# Altium PCB MainMaster.PcbDoc (part 1 of 2) (continued)
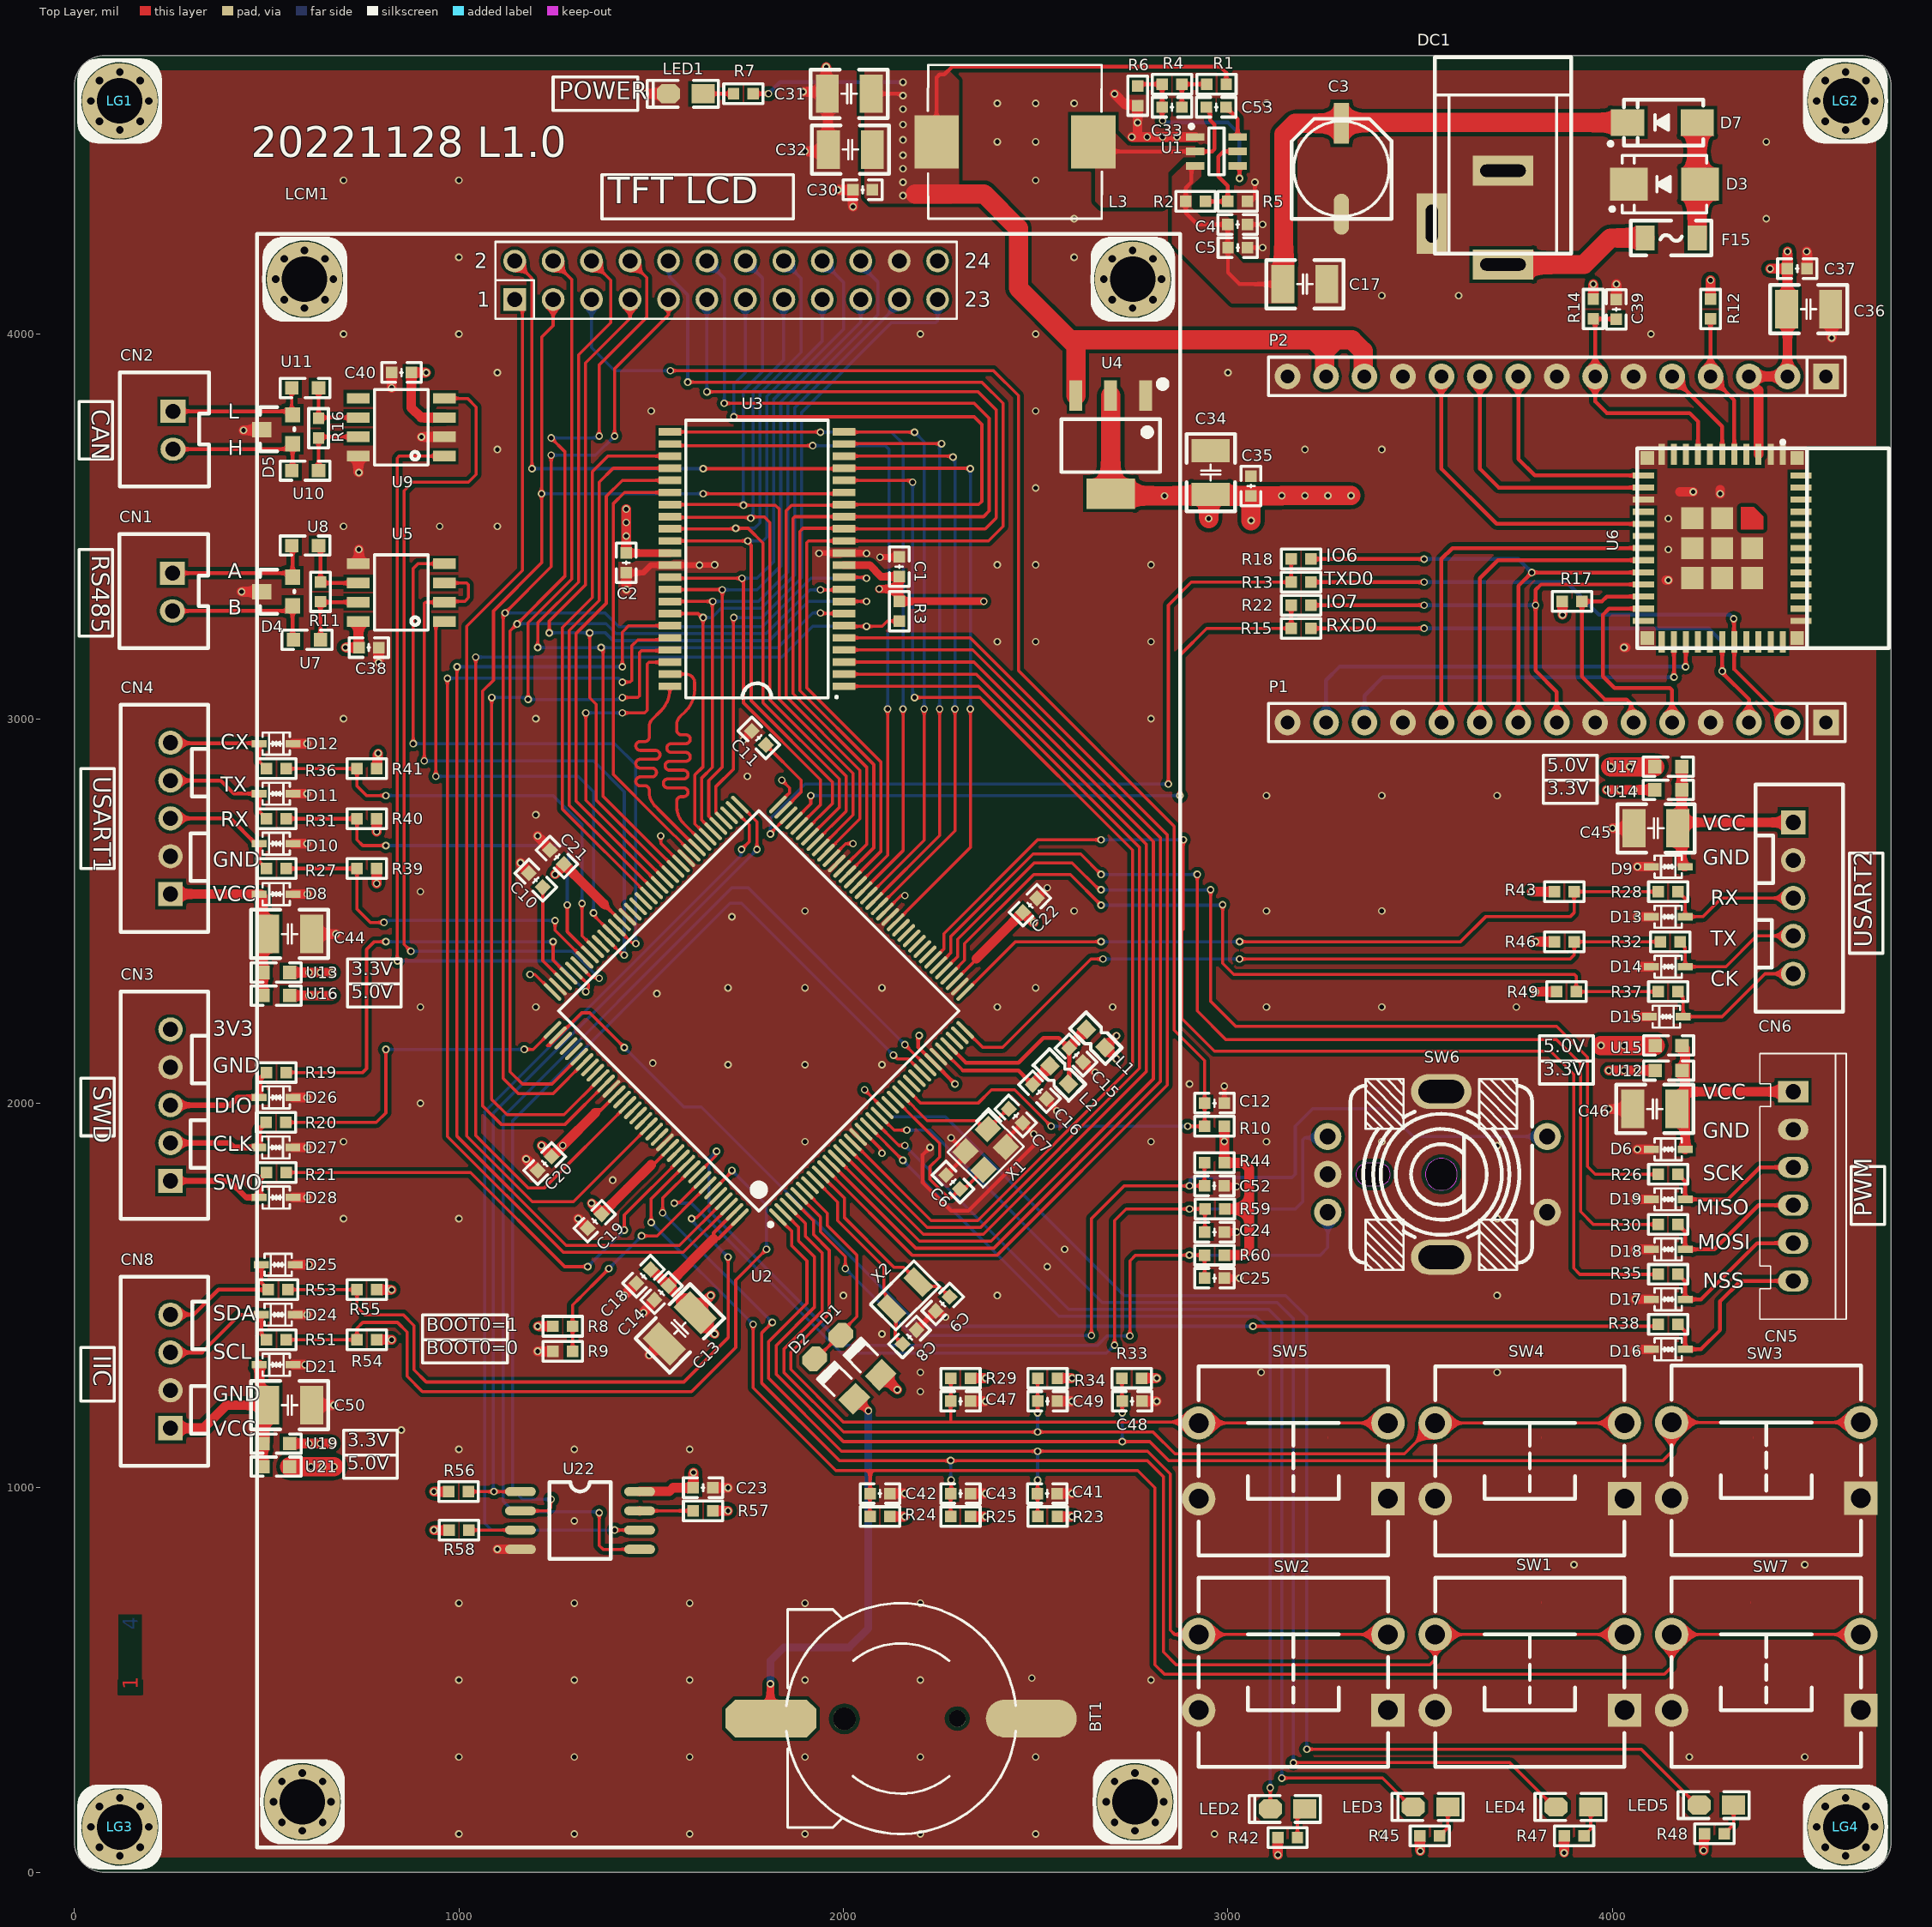
[diagram p0: Top Layer view]
## Footprints (in the part's own frame and the unit in brackets; to place one, negate y for a bottom-side part, rotate by r counter-clockwise, add the part's x,y. Pads: shape width x height; smd on the part's side, far side on the other; paste and mask are expansions set on the pad) (continued)
SMB [mm] "4.7*3.9*2.2mm(长宽高，不包括引脚）"
  rect 2.5x2.2 smd: 1(-2.35,0) 2(2.35,0)
  silkscreen extent -2.8,-1.9 3.57,1.9, body extent -2.63,-1.8 2.67,1.8, height 2.35
SOD-323_L1.8-W1.3-LS2.5-BI [mm]
  rect 0.985x0.49 smd mask+0.051: 1(-1.118,0) 2(1.118,0)
  silkscreen extent -0.9,-0.73 0.9,0.73, body extent -1.24,-0.63 1.24,0.62, height 0.88
SOIC8 [mil]
  oval 80x24 smd: 1(-155,75) 2(-155,25) 3(-155,-25) 4(-155,-75) 5(155,-75) 6(155,-25) 7(155,25) 8(155,75)
  silkscreen extent -80,-100 80,100, body extent -167,-106 163,106, height 91
SOP8_SP3485 [mm] "SP3485"
  rect 0.7x1.5 smd: 1(-1.834,-2.841) 2(-0.564,-2.841) 3(0.706,-2.841) 4(1.976,-2.841) 5(1.976,2.841) 6(0.706,2.841) 7(-0.564,2.841) 8(-1.834,2.841)
  silkscreen extent -2.41,-1.78 2.57,1.77, body extent -2.31,-2.92 2.49,2.88, height 1.43
SOP8_TJA1050 [mm] "TJA1050"
  rect 0.7x1.5 smd: 1(-1.834,-2.841) 2(-0.564,-2.841) 3(0.706,-2.841) 4(1.976,-2.841) 5(1.976,2.841) 6(0.706,2.841) 7(-0.564,2.841) 8(-1.834,2.841)
  silkscreen extent -2.41,-1.78 2.57,1.77, body extent -2.31,-2.92 2.49,2.88, height 1.47
SOT23-6 [mm] "3x1.6x1.1mm(长宽高)"
  rect 0.5x1.2 smd: 1(-0.95,-1.4) 2(0,-1.4) 3(0.95,-1.4) 4(0.95,1.4) 5(0,1.4) 6(-0.95,1.4)
  silkscreen extent -1.78,-1.78 1.55,0.51, body extent -1.5,-1.4 1.5,1.4, height 1.15
SOT223 [mm] "6.4x7x1.6mm(长宽高)"
  rect 0.85x2 smd: 1(-2.3,-3.302) 2(0,-3.302) 3(2.3,-3.302)
  rect 3.2x2 smd: 2(0,3.175)
  silkscreen extent -3.63,-4.26 3.25,1.75, body extent -3.25,-3.51 3.25,3.51, height 1.65
SOT-23 [mil]
  rect 40x40 smd: 1(4.88,0.63) 2(79.88,0.63)
  rect 40x50 smd: 3(41.88,80.63)
  silkscreen extent -15,-4 100,86, body extent -15,-11 99,99, height 47
STM32F407ZET6_TQFP144 [mm]
  oval 0.25x1.55 smd: 1(-8.75,-10.525) 2(-8.25,-10.525) 3(-7.75,-10.525) 4(-7.25,-10.525) 5(-6.75,-10.525) 6(-6.25,-10.525) 7(-5.75,-10.525) 8(-5.25,-10.525) 9(-4.75,-10.525) 10(-4.25,-10.525) 11(-3.75,-10.525) 12(-3.25,-10.525) 13(-2.75,-10.525) 14(-2.25,-10.525) 15(-1.75,-10.525) 16(-1.25,-10.525) 17(-0.75,-10.525) 18(-0.25,-10.525) 19(0.25,-10.525) 20(0.75,-10.525) 21(1.25,-10.525) 22(1.75,-10.525) 23(2.25,-10.525) 24(2.75,-10.525) 25(3.25,-10.525) 26(3.75,-10.525) 27(4.25,-10.525) 28(4.75,-10.525) 29(5.25,-10.525) 30(5.75,-10.525) 31(6.25,-10.525) 32(6.75,-10.525) 33(7.25,-10.525) 34(7.75,-10.525) 35(8.25,-10.525) 36(8.75,-10.525) 73(8.75,10.525) 74(8.25,10.525) 75(7.75,10.525) 76(7.25,10.525) 77(6.75,10.525) 78(6.25,10.525) 79(5.75,10.525) 80(5.25,10.525) 81(4.75,10.525) 82(4.25,10.525) 83(3.75,10.525) 84(3.25,10.525) 85(2.75,10.525) 86(2.25,10.525) 87(1.75,10.525) 88(1.25,10.525) 89(0.75,10.525) 90(0.25,10.525) 91(-0.25,10.525) 92(-0.75,10.525) 93(-1.25,10.525) 94(-1.75,10.525) 95(-2.25,10.525) 96(-2.75,10.525) 97(-3.25,10.525) 98(-3.75,10.525) 99(-4.25,10.525) 100(-4.75,10.525) 101(-5.25,10.525) 102(-5.75,10.525) 103(-6.25,10.525) 104(-6.75,10.525) 105(-7.25,10.525) 106(-7.75,10.525) 107(-8.25,10.525) 108(-8.75,10.525)
  oval 1.55x0.25 smd: 37(10.525,-8.75) 38(10.525,-8.25) 39(10.525,-7.75) 40(10.525,-7.25) 41(10.525,-6.75) 42(10.525,-6.25) 43(10.525,-5.75) 44(10.525,-5.25) 45(10.525,-4.75) 46(10.525,-4.25) 47(10.525,-3.75) 48(10.525,-3.25) 49(10.525,-2.75) 50(10.525,-2.25) 51(10.525,-1.75) 52(10.525,-1.25) 53(10.525,-0.75) 54(10.525,-0.25) 55(10.525,0.25) 56(10.525,0.75) 57(10.525,1.25) 58(10.525,1.75) 59(10.525,2.25) 60(10.525,2.75) 61(10.525,3.25) 62(10.525,3.75) 63(10.525,4.25) 64(10.525,4.75) 65(10.525,5.25) 66(10.525,5.75) 67(10.525,6.25) 68(10.525,6.75) 69(10.525,7.25) 70(10.525,7.75) 71(10.525,8.25) 72(10.525,8.75) 109(-10.525,8.75) 110(-10.525,8.25) 111(-10.525,7.75) 112(-10.525,7.25) 113(-10.525,6.75) 114(-10.525,6.25) 115(-10.525,5.75) 116(-10.525,5.25) 117(-10.525,4.75) 118(-10.525,4.25) 119(-10.525,3.75) 120(-10.525,3.25) 121(-10.525,2.75) 122(-10.525,2.25) 123(-10.525,1.75) 124(-10.525,1.25) 125(-10.525,0.75) 126(-10.525,0.25) 127(-10.525,-0.25) 128(-10.525,-0.75) 129(-10.525,-1.25) 130(-10.525,-1.75) 131(-10.525,-2.25) 132(-10.525,-2.75) 133(-10.525,-3.25) 134(-10.525,-3.75) 135(-10.525,-4.25) 136(-10.525,-4.75) 137(-10.525,-5.25) 138(-10.525,-5.75) 139(-10.525,-6.25) 140(-10.525,-6.75) 141(-10.525,-7.25) 142(-10.525,-7.75) 143(-10.525,-8.25) 144(-10.525,-8.75)
  silkscreen extent -9.55,-10.65 9.35,9.35, body extent -11.07,-11.1 11.13,11.1, height 1.63
SW-TH_EC11K1524406 [mm]
  round 1.8 hole 1.05 mask+0.051: A(-2.5,-7.25) B(2.5,-7.25) C(-0.001,-7.25) D(-2.5,7.25) E(2.5,7.25)
  oval 2.3x4 hole 1.55 slot 3 at 90 deg copper offset 0,0 mask+0.051: MH1(-5.475,0.25)
  oval 2.3x4 hole 1.55 slot 3 at 90 deg mask+0.051: MH2(5.475,0.25)
  Keep-Out Layer board cut-out: 0.775,-4.575 0.775,-4.677 0.722,-4.874 0.62,-5.051 0.476,-5.195 0.299,-5.297 0.102,-5.35 -0.102,-5.35 -0.299,-5.297 -0.476,-5.195 -0.62,-5.051 -0.722,-4.874 -0.775,-4.677 -0.775,-4.575 -0.775,-4.575 -0.775,-3.925 -0.775,-3.823 -0.722,-3.626 -0.62,-3.449 -0.476,-3.305 -0.299,-3.203 -0.102,-3.15 0.102,-3.15 0.299,-3.203 0.476,-3.305 0.62,-3.449 0.722,-3.626 0.775,-3.823 0.775,-3.925 0.775,-3.925 0.775,-4.575
  Keep-Out Layer board cut-out: 1.05,0.25 1.05,0.388 0.978,0.655 0.84,0.895 0.645,1.09 0.405,1.228 0.138,1.3 -0.138,1.3 -0.405,1.228 -0.645,1.09 -0.84,0.895 -0.979,0.655 -1.05,0.388 -1.05,0.25 -1.05,0.112 -0.979,-0.155 -0.84,-0.395 -0.645,-0.59 -0.405,-0.728 -0.138,-0.8 0.138,-0.8 0.405,-0.728 0.645,-0.59 0.84,-0.395 0.978,-0.155 1.05,0.112 1.05,0.25 1.05,0.25
  silkscreen extent -6.3,-5.75 6.3,6.25, body extent -5.86,-7.48 5.86,7.47, height 24.5
"TSW DIP-12*12*7" [mm] "12*12*7mm"
  rect 2.2x2.2 hole 1.3: 1(-6.25,2.5)
  round 2.2 hole 1.3: 2(6.25,2.5) 3(6.25,-2.5) 4(-6.25,-2.5)
  silkscreen extent -6.25,-6.25 6.25,6.25, body extent -6.9,-6 6.9,6, height 7.15
WIFIM-SMD_ESP32-C3-MINI-1 [mm]
  rect 1.4x0.4 smd mask+0.05: 1(-6.2,4) 2(-6.2,3.2) 3(-6.2,2.4) 4(-6.2,1.6) 5(-6.2,0.8) 6(-6.2,0) 7(-6.2,-0.8) 8(-6.2,-1.6) 9(-6.2,-2.4) 10(-6.2,-3.2) 11(-6.2,-4) 25(6.2,-4) 26(6.2,-3.2) 27(6.2,-2.4) 28(6.2,-1.6) 29(6.2,-0.8) 30(6.2,0) 31(6.2,0.8) 32(6.2,1.6) 33(6.2,2.4) 34(6.2,3.2) 35(6.2,4)
  rect 0.4x1.4 smd mask+0.05: 12(-4.8,-5.2) 13(-4,-5.2) 14(-3.2,-5.2) 15(-2.4,-5.2) 16(-1.6,-5.2) 17(-0.8,-5.2) 18(0,-5.2) 19(0.8,-5.2) 20(1.6,-5.2) 21(2.4,-5.2) 22(3.2,-5.2) 23(4,-5.2) 24(4.8,-5.2) 36(4.8,5.2) 37(4,5.2) 38(3.2,5.2) 39(2.4,5.2) 40(1.6,5.2) 41(0.8,5.2) 42(0,5.2) 43(-0.8,5.2) 44(-1.6,5.2) 45(-2.4,5.2) 46(-3.2,5.2) 47(-4,5.2) 48(-4.8,5.2)
  rect 1.45x1.45 smd mask+0.05: 49(-1.975,0) 49(-1.975,-1.975) 49(0,1.975) 49(0,0) 49(0,-1.975) 49(1.975,1.975) 49(1.975,0) 49(1.975,-1.975)
  rect 0.9x0.9 smd mask+0.05: 50(5.95,4.95) 51(5.95,-4.95) 52(-5.95,-4.95) 53(-5.95,4.95)
  Top Layer region: -2.7,2.1 -2.1,2.7 -1.25,2.7 -1.25,1.25 -2.7,1.25 -2.7,2.1
  silkscreen extent -7.1,-5.6 6.6,11, body extent -6.6,-5.59 6.6,11.01, height 2.4
XH2.5-2 [mil]
  rect 60x65 hole 39.37: 1(49.21,0)
  oval 60x65 hole 39.37: 2(-49.21,0)
  silkscreen extent -146,-93 151,138, body extent -147,-94 148,142, height 276
XH2.5-4P [mm]
  rect 1.6x1.6 hole 1: 1(-7.5,0)
  round 1.6 hole 1: 2(-5,0) 3(-2.5,0) 4(0,0)
  silkscreen extent -10,-2.5 2.5,3.3, body extent -9.93,-2.37 2.47,3.38, height 7
XH2.5-5P [mm]
  rect 1.6x1.6 hole 1: 1(-10,0)
  round 1.6 hole 1: 2(-7.5,0) 3(-5,0) 4(-2.5,0) 5(0,0)
  silkscreen extent -12.5,-2.5 2.5,3.3, body extent -12.52,-2.36 2.51,3.39, height 7
XH2.5-6P [mm]
  rect 1.4x2 hole 1: 1(0,0)
  oval 1.4x2 hole 1: 2(2.5,0) 3(5,0) 4(7.5,0) 5(10,0) 6(12.5,0)
  silkscreen extent -2.52,-2.2 15.02,3.5, body extent -2.5,-2.25 15,3.45, height 7

## Part data
BT1: JLCPCB Part Class="Extended Part", LCSC Part Name="电池底座 适用电池:CR1220 自吸", Manufacturer=Q&J, Operating Temperature Range=-25℃~+85℃, Add into BOM=yes, Battery Type=CR1220, Connector Type=电池底座, Convert to PCB=yes, Datasheet=https://atta.szlcsc.com/upload/public/pdf/source/20210107/C969906_C1D85B5C66CBBA4D1AEB8467FE1CEC7A.pdf, Device=CR1220-2ZX, Manufacturer Part=CR1220-2ZX, Name=CR1220-2ZX, Supplier=LCSC, Supplier Footprint=SMD, Supplier Part=C969906, Symbol=CR1220-2ZX
C1 C2 C4 C5 C12 C14 C15 C16 C18 C19 C20 C21 C22 C23 C24 C25 C30 C35 C37 C38 C39 C40 C41 C42 C43 C47 C48 C49 C52 C53: JLCPCB Part Class="Basic Part", LCSC Part Name="100nF ±10% 50V", Manufacturer=YAGEO(国巨), Temperature Coefficient=X7R, Tolerance=±10%, Voltage Rated=50V, Add into BOM=yes, Convert to PCB=yes, Datasheet=https://atta.szlcsc.com/upload/public/pdf/source/20170116/1484561234239.pdf, Device=CC0603KRX7R9BB104, Manufacturer Part=CC0603KRX7R9BB104, Name=100nF, Supplier=LCSC, Supplier Footprint=0603, Supplier Part=C14663, Symbol=CC0603KRX7R9BB104
C3: Equivalent Series Resistance(ESR)=-, JLCPCB Part Class="Extended Part", LCSC Part Name="100uF ±20% 35V", Lifetime @ Temp=1000hrs@105℃, Manufacturer=lelon(立隆), Operating Temperature=-45℃~+105℃, Rated Voltage=35V, Tolerance=±20%, Add into BOM=yes, Convert to PCB=yes, Datasheet=https://atta.szlcsc.com/upload/public/pdf/source/20171023/C134792_15087477404271052916.pdf, Device=VES101M1VTR-0607, L=7.7mm, Manufacturer Part=VES101M1VTR-0607, Name=100uF, Ripple Current=-, Supplier=LCSC, Supplier Footprint=SMD,6.3x7.7mm, Supplier Part=C134792, Symbol=VES101M1VTR-0607, φD=6.3mm
C6 C7: JLCPCB Part Class="Extended Part", LCSC Part Name="20pF ±5% 50V", Manufacturer=YAGEO(国巨), Temperature Coefficient=NP0, Tolerance=±5%, Voltage Rated=50V, Add into BOM=yes, Convert to PCB=yes, Datasheet=https://atta.szlcsc.com/upload/public/pdf/source/20170425/1493115771885.pdf, Device=CC0603JRNPO9BN200, Manufacturer Part=CC0603JRNPO9BN200, Name=20pF, Supplier=LCSC, Supplier Footprint=0603, Supplier Part=C105621, Symbol=CC0603JRNPO9BN200
C8 C9: JLCPCB Part Class="Extended Part", LCSC Part Name="12.5pF ±5% 50V", Manufacturer=YAGEO(国巨), Temperature Coefficient=NP0, Tolerance=±5%, Voltage Rated=50V, Add into BOM=yes, Convert to PCB=yes, Datasheet=https://atta.szlcsc.com/upload/public/pdf/source/20170425/1493115771885.pdf, Device=CC0603JRNPO9BN200, Manufacturer Part=CC0603JRNPO9BN200, Name=12.5pF, Supplier=LCSC, Supplier Footprint=0603, Supplier Part=C105621, Symbol=CC0603JRNPO9BN200
C10 C11: JLCPCB Part Class="Extended Part", LCSC Part Name="2.2uF ±10% 25V", Manufacturer=SAMSUNG(三星), Temperature Coefficient=X5R, Tolerance=±10%, Voltage Rated=25V, Add into BOM=yes, Convert to PCB=yes, Datasheet=https://atta.szlcsc.com/upload/public/pdf/source/20170325/1490427872398.pdf, Device=CL10A225KA8NNNC, Manufacturer Part=CL10A225KA8NNNC, Name=2.2uF, Supplier=LCSC, Supplier Footprint=0603, Supplier Part=C57895, Symbol=CL10A225KA8NNNC
C13 C17 C31 C32 C34 C36 C44 C45 C46 C50: JLCPCB Part Class="Basic Part", LCSC Part Name="22uF ±10% 25V", Manufacturer=YAGEO(国巨), Temperature Coefficient=X7R, Tolerance=±10%, Voltage Rated=50V, Add into BOM=yes, Convert to PCB=yes, Datasheet=https://atta.szlcsc.com/upload/public/pdf/source/20170116/1484561234239.pdf, Device=CC0603KRX7R9BB104, Manufacturer Part=CC0603KRX7R9BB104, Supplier=LCSC, Supplier Footprint=0603, Supplier Part=C14663, Symbol=CC0603KRX7R9BB104
  C13 C44 C45 C46 C50: Name=22uF
  C17 C31 C32 C34 C36: Name=100nF
C33: JLCPCB Part Class="Basic Part", LCSC Part Name="75pF ±10% 50V", Manufacturer=YAGEO(国巨), Temperature Coefficient=X7R, Tolerance=±10%, Voltage Rated=50V, Add into BOM=yes, Convert to PCB=yes, Datasheet=https://atta.szlcsc.com/upload/public/pdf/source/20170116/1484561234239.pdf, Device=CC0603KRX7R9BB104, Manufacturer Part=CC0603KRX7R9BB104, Name=100nF, Supplier=LCSC, Supplier Footprint=0603, Supplier Part=C14663, Symbol=CC0603KRX7R9BB104
CN1 CN2: JLCPCB Part Class="Extended Part", LCSC Part Name=XH-2A,2P,脚距2.5mm,直插, Manufacturer=BOOMELE(博穆精密), Manufacturer Part=XH-2A, Add into BOM=yes, Contact Material=-, Convert to PCB=yes, Datasheet=https://atta.szlcsc.com/upload/public/pdf/source/20151225/1457707654857.pdf, Device=XH-2A_C20079, Mounting Style=-, Name=XH-2A, Number of PINs Per Row=2, Number of Rows=1, Pins Structure=1x2P, Pitch=2.5mm, Reference Series=XH, Row Spacing=-, Supplier=LCSC, Supplier Footprint=插件,P=2.5mm, Supplier Part=C20079, Symbol=XH-2A
CN3 CN4 CN6: JLCPCB Part Class="Extended Part", LCSC Part Name=XH-5A,5P,脚距2.5mm,直插, Manufacturer=BOOMELE(博穆精密), Add into BOM=yes, Contact Material=-, Convert to PCB=yes, Datasheet=https://atta.szlcsc.com/upload/public/pdf/source/20151222/1457707640907.pdf, Device=XH-5A, Manufacturer Part=XH-5A, Mounting Style=-, Name=XH-5A, Number of PINs Per Row=5, Number of Rows=1, Pins Structure=1x5P, Pitch=2.5mm, Reference Series=XH, Row Spacing=-, Supplier=LCSC, Supplier Footprint=插件,P=2.5mm, Supplier Part=C2318, Symbol=XH-5A
CN5: JLCPCB Part Class="Extended Part", LCSC Part Name="XH-6A,6P,脚距2.5mm,直插 直插", Manufacturer=BOOMELE(博穆精密), Add into BOM=yes, Contact Material=-, Convert to PCB=yes, Datasheet=https://atta.szlcsc.com/upload/public/pdf/source/20151222/1457707648819.pdf, Device=XH-6A, Manufacturer Part=XH-6A, Mounting Style=-, Name=XH-6A, Number of PINs Per Row=6, Number of Rows=1, Pins Structure=1x6P, Pitch=2.5mm, Reference Series=XH, Row Spacing=-, Supplier=LCSC, Supplier Footprint=插件,P=2.5mm, Supplier Part=C5663, Symbol=XH-6A
CN8: JLCPCB Part Class="Extended Part", LCSC Part Name="XH-4A,4P,脚距2.5mm,直插 直插", Manufacturer=BOOMELE(博穆精密), Add into BOM=yes, Contact Material=磷青铜, Convert to PCB=yes, Datasheet=https://atta.szlcsc.com/upload/public/pdf/source/20170919/C37815_1505787307039977083.pdf, Device=XH-4A, Manufacturer Part=XH-4A, Mounting Style=-, Name=XH-4A, Number of PINs Per Row=4, Number of Rows=1, Pins Structure=1x4P, Pitch=2.5mm, Reference Series=XH, Row Spacing=-, Supplier=LCSC, Supplier Footprint=插件,P=2.5mm, Supplier Part=C37815, Symbol=XH-4A
D1 D2: Average Rectified Current (Io)=200mA, Forward Voltage (Vf@If)=1V@10mA, JLCPCB Part Class="Extended Part", LCSC Part Name=LL4148, Manufacturer=onsemi(安森美), Operating Temperature=-55℃~+175℃@(Tj), Power Dissipation=500mW, Reverse Leakage Current=25nA@20V, Reverse Voltage (Vr)=100V, Add into BOM=yes, Convert to PCB=yes, Datasheet=https://atta.szlcsc.com/upload/public/pdf/source/20171014/C84135_15079757806671038559.pdf, Device=LL4148_C84135, Diode Configuration=-, Manufacturer Part=LL4148, Name=LL4148, Reverse Recovery Time (trr)=4ns, Supplier=LCSC, Supplier Footprint=SOD-80, Supplier Part=C84135, Symbol=LL4148_C84135
D3: library part SMBJ24CA_C78416, Breakdown Voltage (Min)=26.7V, JLCPCB Part Class="Extended Part", LCSC Part Name="双向 Vrwm:24V", Manufacturer=Brightking(君耀电子), Maximum Clamping Voltage=38.9V, Peak Pulse Current (Ipp)@10/1000μs=15.5A, Reverse Stand-Off Voltage (Vrwm)=24V, Add into BOM=yes, Convert to PCB=yes, Datasheet=https://atta.szlcsc.com/upload/public/pdf/source/20160709/1468031885392.pdf, Device=SMBJ24CA_C78416, Manufacturer Part=SMBJ24CA, Name=SMBJ24CA, Polarity=双向, Supplier=LCSC, Supplier Footprint=SMB(DO-214AA), Supplier Part=C78416, Symbol=SMBJ24CA_C78416
D4 D5: JLCPCB Part Class="Extended Part", Manufacturer=onsemi(安森美), Add into BOM=yes, Convert to PCB=yes, Datasheet=https://atta.szlcsc.com/upload/public/pdf/source/20180829/C233494_96D7515346DCD494B58AEC5F0195E5EF.pdf, Device=SZNUP2105LT1G, LCSC Part Name=SZNUP2105LT1G, Manufacturer Part=SZNUP2105LT1G, Name=SZNUP2105LT1G, Supplier=LCSC, Supplier Footprint=SOT-23-3, Supplier Part=C233494, Symbol=SZNUP2105LT1G
D6 D8 D9 D10 D11 D12 D13 D14 D15 D16 D17 D18 D19 D21 D24 D25 D26 D27 D28: library part 09.04.00336, "LXES1UTAA1-157,0402,MURATA", Current - Peak Pulse (10/1000μs)="15A (8/20us)", JLCPCB Part Class="Extended Part", Manufacturer=BORN伯恩半导体, Voltage - Breakdown (Min)=9V, Voltage - Clamping (Max) @ Ipp=27V, Voltage - Reverse Standoff (Typ)="8V (Max)", Add into BOM=yes, Convert to PCB=yes, Datasheet=https://atta.szlcsc.com/upload/public/pdf/source/20181015/C314256_034D87A5331B49D4E86F2A48D2519FC5.pdf, Device=GBLC08C-N, LCSC Part Name=GBLC08C-N, Manufacturer Part=GBLC08C-N, Name=GBLC08C-N, Polarity=Bidirectional, Supplier=LCSC, Supplier Footprint=SOD-323, Supplier Part=C314256, Symbol=GBLC08C-N
D7: library part SS24_C2829443, Average Rectified Current (Io)=2A, Forward Voltage (Vf@If)=550mV@2A, JLCPCB Part Class="Extended Part", LCSC Part Name="40V 2A 550mV@2A", Manufacturer=CJ(江苏长电/长晶), Reverse Leakage Current (Ir)=500uA@40V, Reverse Voltage (Vr)=40V, Add into BOM=yes, Convert to PCB=yes, Datasheet=https://atta.szlcsc.com/upload/public/pdf/source/20211215/D3A84FE1ADED5816729B4A876C7DC644.pdf, Device=SS24_C2829443, Diode Configuration=独立式, Manufacturer Part=SS24, Name=SS24, Supplier=LCSC, Supplier Footprint=SMAG, Supplier Part=C2829443, Symbol=SS24_C2829443
DC1: Current Rating (Max)=500mA, JLCPCB Part Class="Extended Part", LCSC Part Name="DC电源插座 内径:2.5mm 外径:6.4mm", Manufacturer=韩国韩荣, Voltage Rating (Max)=30V, Add into BOM=yes, Connector Type=DC电源插座, Convert to PCB=yes, Datasheet=https://atta.szlcsc.com/upload/public/pdf/source/20210810/D1FE451D887B1804F0660F580C4AD849.pdf, Device=DC-005-25A, Inside Contact Diameter=2.5mm, Manufacturer Part=DC-005-25A, Name=DC-005-25A, Outside Contact Diameter=6.4mm, Supplier=LCSC, Supplier Footprint=插件, Supplier Part=C136715, Symbol=DC-005-25A
F15: Current Rating (Max)=100A, Hold Current=1A, JLCPCB Part Class="Extended Part", LCSC Part Name="1A 24V", Manufacturer=TLC(竞沃), Operating Temperature=-, Operating Voltage (Max)=24V, Power Dissipation=600mW, Resistance - Initial (Ri) (Min)=60mΩ, Resistance - Post Trip (R1) (Max)=280mΩ, Trip Current=2A, Add into BOM=yes, Convert to PCB=yes, Datasheet=https://atta.szlcsc.com/upload/public/pdf/source/20211202/9DD64AE932171F6A930B1738394E7F41.pdf, Device=TLC-NSMD100/24, Manufacturer Part=TLC-NSMD100/24, Maximum Time to Trip=100ms, Name=TLC-NSMD100/24, Supplier=LCSC, Supplier Footprint=1206, Supplier Part=C2924939, Symbol=TLC-NSMD100/24
L1 L2: Current Rating=2A, DC Resistance=65mΩ, Impedance @ Frequency=120Ω@100MHz, JLCPCB Part Class="Extended Part", LCSC Part Name="120Ω@100MHz ±25%", Manufacturer=FH(风华), Tolerance=±25%, Add into BOM=yes, Circuits=1, Convert to PCB=yes, Datasheet=https://atta.szlcsc.com/upload/public/pdf/source/20151203/1457707610455.pdf, Device=CBM160808U121T, Manufacturer Part=CBM160808U121T, Name=CBM160808U121T, Supplier=LCSC, Supplier Footprint=0603, Supplier Part=C62708, Symbol=CBM160808U121T
L3: library part INDUCTOR
LED1 LED2 LED3 LED4 LED5: Correlated Color Temperature - CCT(K)=-, Illumination Color=普绿/黄绿, JLCPCB Part Class="Extended Part", LCSC Part Name=普绿/黄绿LED，贴片, Manufacturer=EVERLIGHT(亿光), Add into BOM=yes, Convert to PCB=yes, Datasheet=https://atta.szlcsc.com/upload/public/pdf/source/20171110/C142303_15102792667121104246.pdf, Device=17-21SYGC/S530-E3/TR8, Dominant Wavelength / Coordinate rank=573nm, Luminous Flux/Radiant Flux=-, Luminous Intensity (IF=20mA)=32mcd, Manufacturer Part=17-21SYGC/S530-E3/TR8, Mounting Type=表面贴装, Name=17-21SYGC/S530-E3/TR8, Supplier=LCSC, Supplier Footprint=0805, Supplier Part=C142303, Symbol=17-21SYGC/S530-E3/TR8
LG1 LG2 LG3 LG4: library part LAGVAL
P1 P2: Current Rating (Max)=3A, JLCPCB Part Class="Extended Part", LCSC Part Name="2.54mm 1x15P", Manufacturer=kinghelm(金航标), Operating Temperature Range=-40℃~+105℃, Voltage Rating (Max)=-, Add into BOM=yes, Circular Hole / Square Hole=方孔, Convert to PCB=yes, Datasheet=https://atta.szlcsc.com/upload/public/pdf/source/20211220/977AA415CFA981E866620A80068F25CA.pdf, Device=KH-2.54FH-1X15P-H8.5, Holes Direction=顶部, Holes Structure=1x15P, Insulation Height=8.5mm, Manufacturer Part=KH-2.54FH-1X15P-H8.5, Mounting Type=直插, Name=KH-2.54FH-1X15P-H8.5, Number of Holes=15, Number of Rows=1, Pitch=2.54mm, Row Spacing=-, Supplier=LCSC, Supplier Footprint=直插,P=2.54mm, Supplier Part=C2932676, Symbol=KH-2.54FH-1X15P-H8.5
R1 R2 R3 R4 R5 R6 R7 R8 R9 R10 R11 R12 R13 R14 R15 R16 R17 R18 R19 R20 R21 R22 R23 R24 R25 R26 R27 R28 R29 R30 R31 R32 R33 R34 R35 R36 R37 R38 R39 R40 R41 R42 R43 R44 R45 R46 R47 R48 R49 R51 R53 R54 R55 R56 R57 R58 R59 R60: JLCPCB Part Class="Extended Part", LCSC Part Name="511kΩ ±1% 100mW", Manufacturer=UNI-ROYAL(厚声), Operating Temperature Range=-55℃~+155℃, Overload Voltage (Max)=75V, Power(Watts)=100mW, Temperature Coefficient=±100ppm/℃, Tolerance=±1%, Add into BOM=yes, Convert to PCB=yes, Datasheet=https://atta.szlcsc.com/upload/public/pdf/source/20200306/C422600_1E6D84923E4A46A82E41ADD87F860B5C.pdf, Device=0603WAF5113T5E, Manufacturer Part=0603WAF5113T5E, Supplier=LCSC, Supplier Footprint=0603, Supplier Part=C23194, Symbol=0603WAF5113T5E, Type=厚膜电阻
  R1: Name=49.9Ω
  R2: Name=511kΩ
  R3 R7 R8 R9 R10 R12 R14 R17 R23 R24 R25 R29 R33 R34 R39 R40 R41 R42 R43 R44 R45 R46 R47 R48 R49 R54 R55 R56 R57 R58 R59 R60: Name=10kΩ
  R4: Name=100kΩ
  R5: Name=105kΩ
  R6: Name=13.3kΩ
  R11 R16: Name=120Ω
  R13 R15 R18 R19 R20 R21 R22 R26 R27 R28 R30 R31 R32 R35 R36 R37 R38 R51 R53: Name=22Ω
SW1 SW2 SW3 SW4 SW5 SW7: Actuator/Cap Color=黑色, Contact Current=50mA, JLCPCB Part Class="Extended Part", Manufacturer=kinghelm(金航标), Voltage Rating (DC)=12V, Actuator Style=圆形按钮, Add into BOM=yes, Circuit=单刀单掷, Convert to PCB=yes, Datasheet=https://atta.szlcsc.com/upload/public/pdf/source/20210608/C2837531_45E87AB996CE723B09405FF2EA209C4C.pdf, Device=KH-6X6X5H-STM, LCSC Part Name=KH-6X6X5H-STM, Manufacturer Part=KH-6X6X5H-STM, Mechanical Life=80000, Mounting Style=立贴, Name=KH-6X6X5H-STM, Pin Style=鸥翼型, Strike Gundam=否, Supplier=LCSC, Supplier Footprint=SMD, Supplier Part=C2837531, Switch Height=5mm, Switch Length=6mm, Switch Width=6mm, Symbol=KH-6X6X5H-STM
SW6: JLCPCB Part Class="Extended Part", LCSC Part Name=编码器, Manufacturer=ALPSALPINE(阿尔卑斯阿尔派), Add into BOM=yes, Convert to PCB=yes, Datasheet=https://atta.szlcsc.com/upload/public/pdf/source/20190620/C398934_DDD5BF6D843226194F24C74B1929B82F.pdf, Device=EC11K1524406, Manufacturer Part=EC11K1524406, Name=EC11K1524406, Supplier=LCSC, Supplier Footprint=插件, Supplier Part=C398934, Symbol=EC11K1524406
U1: Input Voltage=4.5V~28V, JLCPCB Part Class="Extended Part", LCSC Part Name="降压型 Vin=4.5V~28V Vout=596mV~28V 3A", Manufacturer=TI(德州仪器), Operating Temperature=-40℃~+125℃@(TJ), Output Current (Max)=3A, Output Voltage=596mV~28V, Switching Frequency=400kHz, Add into BOM=yes, Convert to PCB=yes, Datasheet=https://atta.szlcsc.com/upload/public/pdf/source/20181023/C311983_0948EE70BFAD2011B492BD3F4CEA709D.pdf, Device=TPS54302DDCR, Function=降压型, Manufacturer Part=TPS54302DDCR, Name=TPS54302DDCR, Number of Outputs=1, Output Type=可调, Supplier=LCSC, Supplier Footprint=TSOT-23-6, Supplier Part=C311983, Symbol=TPS54302DDCR_C311983, Synchronous Rectification=是, Topology=降压式
U2: library part STM32F407ZET6, "STM32F407ZET6", JLCPCB Part Class="Extended Part", LCSC Part Name=C19156, Manufacturer=ST(意法半导体), Maximum Frequency=168MHZ, Operating Temperature Range=-40℃~+85℃, Supply Voltage Range=1.8V~3.6V, ADC (Units/Channels/bits)=1@x2ch/12bit, Add into BOM=yes, Convert to PCB=yes, CPU Core="ARM Cortex-M4", DAC (Units/Channels/bits)=1@x24ch/12bit, Datasheet=https://atta.szlcsc.com/upload/public/pdf/source/20140724/1457707162528.pdf, Device=STM32F407ZGT6, EEPROM/Data FLASH Size=-, GPIO Ports Number=114, Internal Oscillator=有, Manufacturer Part=STM32F407ZGT6, Name=STM32F407ZGT6, Peripherals / Functions / Protocol Stacks=欠压检测/复位；DMA；LCD驱动；看门狗；POR；PWM, Program FLASH Size=1MB, RAM Size=192KB, Supplier=LCSC, Supplier Footprint=LQFP-144_20x20x05P, Symbol=STM32F407ZGT6
U3: library part IS64WV51216BLL-10MA3
U4: Dropout Voltage=1.3V@(800mA), JLCPCB Part Class="Extended Part", LCSC Part Name="正 Vin=15V Vout=3.3V 800mA 75dB@(120Hz)", Manufacturer=TI(德州仪器), Maximum Input Voltage=15V, Output Current=800mA, Output Voltage=3.3V, Power Supply Rejection Ratio (PSRR)=75dB@(120Hz), Add into BOM=yes, Convert to PCB=yes, Datasheet=https://atta.szlcsc.com/upload/public/pdf/source/20180416/C91728_403F033E51667BBB8CF85C15AFC00B0F.pdf, Device=TLV1117-33CDCYR, Manufacturer Part=TLV1117-33CDCYR, Name=TLV1117-33CDCYR, Number of Outputs=1, Output Polarity=正, Output Type=固定, Supplier=LCSC, Supplier Footprint=SOT-223, Supplier Part=C91728, Symbol=TLV1117-33CDCYR
U5: JLCPCB Part Class="Basic Part", LCSC Part Name=10Mbps, Manufacturer=MaxLinear, Supply Voltage=3.3V, Add into BOM=yes, Convert to PCB=yes, Data Rate=10Mbps, Datasheet=https://atta.szlcsc.com/upload/public/pdf/source/20170601/1496285796963.pdf, Device=SP3485EN-L/TR, Driver/receiver=1/1, Manufacturer Part=SP3485EN-L/TR, Name=SP3485EN-L/TR, Supplier=LCSC, Supplier Footprint=SOIC-8_150mil, Supplier Part=C8963, Symbol=SP3485EN-L/TR, Types=收发器
U6: library part ESP32-C3-MINI-1U-H4, JLCPCB Part Class="Extended Part", Manufacturer=ESPRESSIF(乐鑫), Add into BOM=yes, Convert to PCB=yes, Datasheet=https://atta.szlcsc.com/upload/public/pdf/source/20220602/2F3F799AD033675D9930B69B0B580EA8.pdf, Device=ESP32-C3-MINI-1-H4, LCSC Part Name=ESP32-C3-MINI-1-H4, Manufacturer Part=ESP32-C3-MINI-1-H4, Name=ESP32-C3-MINI-1-H4, Supplier=LCSC, Supplier Footprint=模块, Supplier Part=C2934569, Symbol=ESP32-C3-MINI-1-H4
U7 U8 U10 U11 U12 U13 U14 U15 U16 U17 U19 U21: Current Rating (Max)=40A, Hold Current=350mA, JLCPCB Part Class="Extended Part", LCSC Part Name="6V 350mA", Manufacturer=Littelfuse(美国力特), Operating Temperature=-40℃~+85℃, Operating Voltage (Max)=6V, Power Dissipation=-, Resistance - Initial (Ri) (Min)=200mΩ, Resistance - Post Trip (R1) (Max)=1Ω, Trip Current=750mA, Add into BOM=yes, Convert to PCB=yes, Datasheet=https://atta.szlcsc.com/upload/public/pdf/source/20180709/C207013_44786F09EAFC890D8A7C29FA56404C7F.pdf, Device=0603L035YR, Manufacturer Part=0603L035YR, Maximum Time to Trip=100ms, Name=0603L035YR, Supplier=LCSC, Supplier Footprint=0603, Supplier Part=C207013, Symbol=0603L035YR
U9: JLCPCB Part Class="Basic Part", Manufacturer=NXP(恩智浦), Supply Voltage="4.75V ~ 5.25V", Add into BOM=yes, Convert to PCB=yes, Datasheet=https://atta.szlcsc.com/upload/public/pdf/source/20140411/1457707042917.pdf, Device=TJA1050T/CM,118, LCSC Part Name=TJA1050T/CM,118, Manufacturer Part=TJA1050T/CM,118, Name=TJA1050T/CM,118, Protocol=CAN总线, Supplier=LCSC, Supplier Footprint=SOIC-8_150mil, Supplier Part=C6952, Symbol=TJA1050T/CM,118, Type=收发器
U22: JLCPCB Part Class="Basic Part", Manufacturer=WINBOND(华邦), Voltage - Supply="2.7V ~ 3.6V", Add into BOM=yes, Convert to PCB=yes, Datasheet=https://atta.szlcsc.com/upload/public/pdf/source/20170316/1489627409956.pdf, Device=W25Q128JVSIQ, LCSC Part Name=W25Q128JVSIQ, Manufacturer Part=W25Q128JVSIQ, Memory Format=FLASH, Memory Interface="SPI - Dual/Quad I/O", Memory Size="128Mb (16M x 8)", Name=W25Q128JVSIQ, Supplier=LCSC, Supplier Footprint=SOIC-8_208mil, Supplier Part=C97521, Symbol=W25Q128JVSIQTR
X1: Frequency Stability=±30ppm, Frequency Tolerance=±10ppm, JLCPCB Part Class="Extended Part", LCSC Part Name="8MHz ±10ppm 20pF", Load Capacitance=20pF, Manufacturer=YXC(扬兴晶振), Operating Temperature=-40℃~+85℃, Add into BOM=yes, Convert to PCB=yes, Crystal Type=贴片无源晶振, Datasheet=https://atta.szlcsc.com/upload/public/pdf/source/20210106/C2682774_0CD4FDA5D9DA3FBEEC23BD607A48E4B0.pdf, Device=X32258MSB4SI, Manufacturer Part=X32258MSB4SI, Name=8MHz, Supplier=LCSC, Supplier Footprint=SMD3225-4P, Supplier Part=C2682774, Symbol=X32258MSB4SI
X2: Frequency Tolerance=±20ppm, JLCPCB Part Class="Extended Part", LCSC Part Name="YST310S 32.768kHz ±20ppm 12.5pF", Load Capacitance=12.5pF, Manufacturer=YXC(扬兴晶振), Operating Temperature=-40℃~+85℃, Add into BOM=yes, Convert to PCB=yes, Crystal Type=贴片无源晶振, Datasheet=https://atta.szlcsc.com/upload/public/pdf/source/20210329/C620155_E5A74FC0D27C5E9015A8D75DE9484FEA.pdf, Device=X321532768KGD2SI, Manufacturer Part=X321532768KGD2SI, Name=32.768kHz, Supplier=LCSC, Supplier Footprint=SMD3215-2P, Supplier Part=C620155, Symbol=X321532768KGD2SI

## Via types
v1: diameter 19.68, hole 11.81, Top Layer to Bottom Layer, tented both sides, 462 vias

## Nets (pads, with @x,y where several pads share a name; then routed paths per layer and width w, separated by ;. In a path a pad name is that pad's centre, name@x,y a point inside that pad or via, vN(x,y) a via of type N, cw(c..) or ccw(c..) an arc to the next point about the centre after c; other vN are vias at no path point)
3V3: C1.2 C2.2 C13.2 C14.2 C18.2 C19.2 C20.2 C21.2 C22.2 C23.2 C34.2 C35.2 C36.1 C37.1 C38.2 C40.2 CN3.5 D1.2 L1.1 LCM1.24 P2.2 P2.3 R3.2 R8.2 R10.1 R12.2 R14.2 R17.1 R23.1 R24.1 R25.1 R29.1 R33.1 R34.1 R39.1 R40.1 R41.1 R42.1 R43.1 R44.2 R45.1 R46.1 R47.1 R48.1 R49.1 R54.1 R55.1 R56.1 R57.1 R58.2 R59.2 R60.2 U2.17 U2.30 U2.39 U2.52 U2.62 U2.72 U2.84 U2.95 U2.108 U2.121 U2.131 U2.143 U2.144 U3.11 U3.33 U4.2 U5.8 U6.3 U9.3 U12.1 U13.1 U14.1 U19.1 U22.8 | length 8280.8
  Top Layer w8: v1(1185,2335) 1197.82,2335 U2.108@1243.41,2289.41 ; C20.2@1241.19,1861.19 1248.08,1861.19 1273.44,1886.56 1358.44,1971.56 1370.94,1984.06 ; C21.2@1276.19,2623.81 1276.19,2618.8 1276.19,2618.53 1377.36,2517.36 U2.95@1424.36,2470.37 ; 1355,1975 1364.06,1984.06 1370.94,1984.06 ; C19.2@1371.19,1711.19 1376.19,1711.19 1440,1775 1440.27,1775 1502.5,1837.23 U2.131@1549.63,1884.36 ; U2.121@1410.44,2023.55 1370.94,1984.06 ; v1(1525,2695) 1525,2675.95 U2.84@1577.47,2623.48 ; U2.72@1829.41,2776.59 1860,2807.18 1860,2820 v1(1840,2840) ; U2.62@1968.61,2637.4 2006.21,2675 v1(2025,2675) ; U2.17@2052.12,1926.12 2100,1878.24 v1(2100,1870) ; U2.52@2107.8,2498.21 2149.6,2540 v1(2160,2540) ; U2.39@2288.76,2317.25 2346.5,2375 C22.2@2467.66,2496.16
  Top Layer w10: C14.2@1545,1525.66 C14.2@1545,1525 C13.2@1615,1455 ; 1663.05,1648.05 1666.95,1648.05 ; U2.143@1716.67,1717.33 1662.06,1662.72 1662.06,1652.94 1666.95,1648.05 ; U2.144@1730.59,1703.41 1675.23,1648.05 1666.95,1648.05 ; v1(2196.9,2176.14) 2194.31,2173.54 2194.31,2145.84 U2.30@2233.08,2107.07 2290,2050.15 v1(2290,2050)
  Top Layer w20: C2.2@1435.08,3430.67 U3.33@1548.54,3430.67 ; U3.11@2001.38,3399.25 2067.95,3399.25 2097.79,3369.41 C1.2@2145,3369.41 2145,3337.21 ; v1(2092.79,3337.21) 2145,3337.21 ; v1(2365,3305) R3.2@2145,3305 2145,3337.21 ; v1(2710,2115) L1.1@2679.8,2145.2 v1(2710,2175.4)
  Top Layer w25: U19.1@560,1115 v1(609.84,1115) v1(640,1115) v1(670,1115) ; U13.1@560,2340 v1(610,2340) v1(640,2340) v1(670,2340) ; v1(705,3185) C38.2@740,3185 739.07,3185.93 739.07,3251.85 U5.8@738.14,3252.78 ; R54.1@786.18,1385 v1(825,1385) ; R55.1@786.18,1515 v1(825,1515) ; v1(786.18,2571.18) R39.1@786.18,2610 ; v1(786.18,2706.18) R40.1@786.18,2740 ; R41.1@786.18,2870 788.68,2872.5 788.68,2908.68 v1(790,2910) ; v1(915,3900) C40.2@876.18,3900 876.18,3808.82 902.22,3782.78 U9.3@961.86,3782.78 ; v1(935,890) R58.2@974.41,890 ; v1(935,990) R56.1@973.82,990 ; v1(1205,1420) R8.2@1244.41,1420 ; v1(1215,1890) 1241.19,1863.81 C20.2@1241.19,1861.19 v1(1270,1890) 1355,1975 ; v1(1250,2595) 1250,2595.28 1273.09,2618.37 C21.2@1273.09,2621.9 1276.19,2618.8 1377.36,2517.63 1377.36,2517.36 ; v1(1345,1740) 1371.19,1713.81 C19.2@1371.19,1711.19 1437.5,1777.5 1499.86,1839.86 ; v1(1435,3545) v1(1435,3510) v1(1435,3475) C2.2@1435,3430.59 C2.2@1435.08,3430.67 ; U22.8@1470,990 1470.5,990.5 1547.41,990.5 1556.91,1000 C23.2@1609.41,1000 1609.41,1039.41 v1(1610,1040) ; C18.2@1498.1,1568.09 1501.63,1568.09 1507.6,1562.12 1507.88,1562.12 C14.2@1542.5,1527.5 ; v1(1655,1500) 1615,1460 C13.2@1615,1455 ; R57.1@1660.59,940 v1(1700,940) ; 1662.06,1647.06 C14.2@1542.5,1527.5 ; v1(1665,1400) 1615,1450 C13.2@1615,1455 ; D1.2@2096.64,1293.36 2101.64,1293.36 v1(2140,1255) ; R24.1@2120.59,925 v1(2160,925) ; R25.1@2330,925 v1(2370,925) ; R29.1@2330,1285 v1(2370,1285) ; 2345.75,2375.76 C22.2@2466.9,2496.91 2467.66,2496.16 2493.81,2470 v1(2495,2470) ; R23.1@2556.18,925 v1(2595,925) ; R34.1@2556.18,1285 v1(2595,1285) ; R33.1@2775.59,1285 v1(2815,1285) ; R60.2@2990.59,1605 3040.36,1605 3055,1619.64 3055,1725 ; R10.1@2990.59,1940 v1(2990.59,1900.59) R44.2@2990.59,1845 3040.36,1845 3055,1830.35 3055,1725 ; R59.2@2991.18,1725 3055,1725 ; R42.1@3129.41,90 3129.41,45.59 v1(3130,45) ; R45.1@3499.41,95 3499.41,55.59 v1(3500,55) ; v1(3790,2550) R43.1@3848.82,2550 ; v1(3800,2290) R49.1@3854.41,2290 ; v1(3800,2420) R46.1@3849.41,2420 ; R17.1@3869.41,3305 3870,3304.4 v1(3870,3270) ; v1(3874.41,50.59) R47.1@3874.41,95 ; R14.2@3950,4090.59 v1(3950,4130) ; v1(3985,2815) v1(4020,2815) v1(4055,2815) U14.1@4110,2815 ; v1(3990,2085) v1(4030,2085) v1(4065,2085) U12.1@4111,2085 ; v1(4236.91,56.91) 4236.91,97.5 R48.1@4239.41,100 ; R12.2@4255,4090.59 v1(4255,4140) ; U6.3@4379.77,3687.59 4379.77,3853.88 4355,3878.65 P2.3@4355,3890 P2.2@4455,3890 C37.1@4455,4170 ; v1(4410,4170) C37.1@4455,4170 ; v1(4455,4215) C37.1@4455,4170 ; C14.2@1542.5,1527.5 C14.2@1545,1525 C13.2@1615,1455
  Top Layer w50: U4.2@2695,3840 U4.2@2695,3585 2700.59,3579.41 v1(2835,3579.41) C34.2@2951.5,3579.41 ; v1(2950,3520) 2950,3577.91 C34.2@2951.5,3579.41 ; C34.2@2955,3582.91 C34.2@2951.5,3579.41 ; v1(3060,3515) C35.2@3060,3579.41 ; v1(3320,3580) v1(3260,3580) v1(3200,3580) v1(3140,3580) 3139.41,3579.41 C35.2@3060,3579.41 ; C34.2@2951.5,3579.41 C35.2@3060,3579.41
5V: C30.2 C31.2 C32.2 L3.2 P2.13 P2.14 R1.2 R7.2 U4.3 U15.1 U16.1 U17.1 U21.1 | length 16900.4
  Top Layer w10: R7.2@1765.59,4625 v1(1805,4625) ; C31.2@2072.09,4625 v1@2150,4625 ; v1@2152.5,4625 v1@2157.5,4620 ; L3.2@2242.1,4500 2242.1,4667.1 2250,4675 2262.5,4675 2282.5,4695 2980,4695 2995.59,4679.41 R1.2@2995.59,4650
  Top Layer w25: U16.1@560,2280 v1(610,2280) v1(640,2280) v1(670,2280)
  Top Layer w50: U21.1@560,1055 v1(615,1055) v1(645,1055) v1(675,1055) ; 2186.42,4364.6 2365.4,4364.6 2455,4275 2455,4120 2590,3985 ; U4.3@2604.45,3840 2604.45,3970.55 2590,3985 ; P2.14@3255,3890 3251.76,3893.24 3251.76,3955.71 ; P2.13@3355,3890 3351.76,3893.24 3351.76,3955.71 3322.47,3985 3281.05,3985 ; v1(3970,2150) v1(4030,2150) U15.1@4111,2150 ; v1(3995,2875) v1(4045,2875) U17.1@4110,2875 ; 2590,3985 3222.47,3985 ; 3222.47,3985 3281.05,3985 ; 3222.47,3985 3251.76,3955.71 ; 3251.76,3955.71 3281.05,3985
  VDD w50: v1@652.37,1055 v1(645,1055) ; v1@665,2280 v1(640,2280) v1(610,2280) 70,2280 ; v1(675,1055) v1(645,1055) ; v1(3970,2150) v1(4030,2150) 4600,2150 4650,2200 4650,2875 ; v1(3995,2875) v1(4045,2875) 4650,2875 ; 70,2280 70,1084.29 99.29,1055 v1(615,1055) v1(645,1055) ; 70,2280 70,4225 390,4545 v1(2155,4545) v1(2155,4585) v1(2155,4620) v1(2155,4655) 2181.77,4681.77 4323.23,4681.77 4660,4345 4660,3809.29 4630.71,3780 4475,3780 4445,3750 4445,3159.29 4484.29,3120 4590,3120 4650,3060 4650,2875
  Bottom Layer w10: v1(1805,4625) 1835,4655 v1(2155,4655)
  other v1: 2155,4360 2155,4395 2155,4430 2155,4465 2155,4505
A3V3: C15.2 L1.2 L2.1 U2.33 | length 531.2
  Top Layer w10: U2.33@2274.84,2148.83 2318.66,2105 2455,2105 2520,2170 2560,2170 C15.2@2586.91,2143.1 2586.91,2072.11 2583.74,2068.94 2583.74,2051.26 L2.1@2584.8,2050.2
  Top Layer w25: C15.2@2586.91,2143.1 2586.91,2146.89 L1.2@2632.51,2192.49
AGND: BT1.2 C1.1 C2.1 C3.2 C4.1 C5.1 C6.2 C7.2 C8.1 C9.1 C10.1 C11.1 C12.1 C13.1 C14.1 C15.1 C16.1 C17.1 C18.1 C19.1 C20.1 C21.1 C22.1 C23.1 C24.2 C25.2 C30.1 C31.1 C32.1 C34.1 C35.1 C36.2 C37.2 C38.1 C39.1 C40.1 C41.2 C42.2 C43.2 C44.1 C45.1 C46.1 C47.2 C48.2 C49.2 C50.1 C52.2 CN3.4 CN4.2 CN5.2 CN6.2 CN8.2 D3.2 D4.3 D5.3 D6.2 D8.2 D9.2 D10.1 D11.1 D12.1 D13.1 D14.1 D15.1 D16.1 D17.1 D18.1 D19.1 D21.2 D24.1 D25.1 D26.1 D27.1 D28.1 DC1.2 DC1.3 LCM1.22 LED1.1 P1.1 P1.4 P1.7 P1.12 P1.15 P2.1 P2.6 P2.8 P2.12 P2.15 R5.1 R6.1 R9.2 SW1.1 SW1.2 SW2.1 SW2.2 SW3.1 SW3.2 SW4.1 SW4.2 SW5.1 SW5.2 SW6.C SW6.E SW6.MH1 SW6.MH2 SW7.1 SW7.2 U1.1 U2.16 U2.31 U2.38 U2.51 U2.61 U2.83 U2.94 U2.107 U2.120 U2.130 U3.12 U3.34 U4.1 U5.5 U6.1 U6.2 U6.11 U6.14 U6.36 U6.49 U6.50 U6.51 U6.52 U6.53 U9.2 U9.8 U22.4 X1.2 X1.4 | length 4741.8
  Top Layer w10: v1(2225,1885) 2206,1866 2206,1794 2280,1720 2325,1720 2495,1890 v1(2495,1920) C7.2@2466.19,1948.81 2422.89,1905.51 X1.4@2422.89,1885.57 ; C6.2@2266.91,1813.1 2317.11,1863.29 X1.2@2317.11,1874.43 2315.57,1874.43 v1(2280,1910) ; C12.1@2990.59,2000 v1(2990.59,2044.41) ; C4.1@3050.59,4285 v1(3090,4285) ; R5.1@3050.59,4345 3055,4340.6 3070,4355.6 v1(3070,4395) ; C5.1@3051.18,4225 v1(3090,4225)
  Top Layer w15: C2.1@1435,3379.41 1435.6,3379.41 1479.41,3379.41 1499.25,3399.25 U3.34@1548.62,3399.25 v1(1625.75,3399.25) 1626.5,3400 1626.87,3399.63 1664.63,3399.63 v1(1665,3400) ; v1(1740,2945) 1740,2945.6 1761.3,2966.9 1761.9,2966.9 C11.1@1761.9,2968.1 ; v1(1936.5,3430) 1937.24,3430.75 U3.12@2001.38,3430.75 2059.25,3430.75 v1(2060,3430) ; v1(2095,3420) 2095.59,3420.59 C1.1@2145,3420.59 ; C8.1@2190,1410 C9.1@2240,1460 2247.57,1460 2263.73,1443.84 v1(2265,1443.84) ; C22.1@2503.1,2533.1 v1(2530,2560) ; C16.1@2528.1,2011.9 2528.1,2006.9 2529.37,2006.9 2555,1981.27 v1(2555,1980) ; C15.1@2623.1,2106.9 2650,2080 v1(2655,2080) ; C52.2@2990,1785 2991.1,1783.9 3021.76,1783.9 v1(3022.66,1783) ; C25.2@2990.59,1545 v1(3030,1545) ; C24.2@2990.59,1665 v1(3022.66,1665)
  Top Layer w25: v1(435,3330) 477.5,3330 482.5,3325 D4.3@487.5,3330 ; v1(440,3750) 485.5,3750 D5.3@487.5,3752 ; D27.1@568,1885 v1(605,1885) ; D21.2@569,1320 v1(600,1320) ; D28.1@569,1755 v1(605,1755) ; D26.1@569,2015 v1(605,2015) ; D8.2@569,2543.66 v1(605.69,2543.66) ; D10.1@569,2675 v1(605,2675) ; D11.1@569,2805 v1(605,2805) ; D12.1@569,2935 v1(605,2935) ; D24.1@574,1450 v1(605,1450) ; D25.1@574,1580 v1(610,1580) ; C50.1@617.09,1215 v1(675,1215) ; C44.1@617.09,2440 v1(680,2440) ; U5.5@738.14,3402.78 738.72,3402.78 740,3404.06 v1(740,3440) ; U9.8@738.14,3682.78 738.14,3641.86 v1(740,3640) ; v1(791.18,3146.18) C38.1@791.18,3185 ; v1(825,3860) C40.1@825,3900 ; v1(902.78,3732.78) U9.2@961.86,3732.78 ; v1(1100,840) U22.4@1160,840 ; v1(1160,2625) 1160,2623.53 1181.9,2601.63 C10.1@1181.9,2598.1 ; v1(1175,1855) C20.1@1205,1825 ; v1(1205,1355) R9.2@1244.41,1355 ; v1(1205,2695) 1205,2693.53 1236.9,2661.63 C21.1@1236.9,2658.1 ; v1(1310,1700) C19.1@1335,1675 ; v1(1430,1500) C18.1@1461.9,1531.9 ; C2.1@1435,3379.41 1435.6,3380 1435.6,3379.41 v1(1435.6,3335.6) ; v1(1480,1455) 1480,1456.46 1508.81,1485.27 C14.1@1508.81,1488.81 ; v1(1485,4625) LED1.1@1545,4625 ; v1(1495,1345) 1524.27,1374.27 C13.1@1534.27,1374.27 ; C23.1@1660.59,1000 v1(1700,1000) ; v1(1895,4630) 1952.91,4630 C31.1@1955,4627.91 ; v1(1900,4475) 1955.83,4475 C32.1@1960.83,4480 1959.37,4481.46 1959.37,4623.54 C31.1@1957.91,4625 C31.1@1955,4627.91 ; v1(1955,4695) C31.1@1955,4627.91 ; v1(1985,4375) C30.1@2024.41,4375 2024.41,4331.78 v1(2025,4331.19) ; C42.2@2130.59,985 v1(2160,985) ; C43.2@2330,985 v1(2370,985) ; C47.2@2330,1225 v1(2370,1225) ; C41.2@2555.59,985 v1(2595,985) ; C49.2@2556.18,1225 v1(2595,1225) ; v1(2705,4624.77) 2732.86,4596.91 2762.5,4596.91 R6.1@2765,4594.41 v1(2765,4550) 2765,4517.4 2770,4512.4 ; v1(2750,4512.4) 2770,4512.4 ; C48.2@2776.18,1225 v1(2815,1225) ; U1.1@2914.88,4512.4 v1(2867.4,4512.4) v1(2830,4512.4) v1(2790,4512.4) 2770,4512.4 ; v1(3990,1985) C46.1@4052.91,1985 ; v1(4000,2715) C45.1@4055.83,2715 ; C39.1@4010,4090 v1(4010,4130) ; v1(4030,3185) v1@4035,3185 ; v1(4060,1360) D16.1@4101,1360 ; v1(4060,1490) D17.1@4101,1490 ; v1(4060,1620) D18.1@4101,1620 ; v1(4060,1750) D19.1@4101,1750 ; v1(4060,2225) D15.1@4096,2225 ; v1(4065,1880) D6.2@4101,1880 ; v1(4065,2355) D14.1@4101,2355 ; v1(4065,2485) D13.1@4101,2485 ; v1(4065,2615) D9.2@4101,2615 ; v1@4140,3360 v1(4145,3360) ; 4175,3590 v1(4210,3590) ; v1(4280,3585) 4280,3595 ; v1(4505,4215) 4506.18,4213.82 C37.2@4506.18,4170 ; C36.2@4567.09,4065 4570,4062.09 v1(4570,3990)
  other v1: 1000,100 1300,100 1600,100 1900,100 2200,100 2500,100 2965,100 3400,100 1000,300 1300,300 1600,300 1900,300 2200,300 2500,300 4200,300 4500,300 1000,500 1300,500 1600,500 1900,500 2200,500 2800,500 2490,505 1000,700 1300,700 1600,700 1900,700 2200,700 3900,800 4500,800 1300,913.84 1000,1100 1300,1100 1600,1100 850,1150 2200,1250 2200,1300 3086.16,1300 3700,1300 2100,1400 2000,1500 2400,1500 3700,1500 2530,1575 2575,1620 700,1700 1000,1700 3700,1700 1400,1800 3700,1889.6 700,1900 1900,1900 2800,1900 3100,1900 3400,1900 900,2000 2900,2050 1700,2100 1900,2100 2100,2100 1504.36,2104.36 900,2250 1200,2250 2400,2250 2700,2250 3100,2250 3400,2250 3750,2250 1515,2285 1700,2300 1900,2300 2100,2300 2500,2300 1710,2485 1900,2500 2600,2500 3100,2500 3400,2500 900,2550 1200,2750 3100,2800 3400,2800 3700,2800 1750,2850 700,3000 1200,3000 2800,3000 2400,3200 2500,3200 2800,3200 2400,3400 2500,3400 2800,3400 4145,3440 700,3500 950,3500 1100,3500 4145,3520 2500,3600 1100,3700 3200,3700 3400,3700 1500,3800 2500,3800 1100,3900 3000,3900 700,4000 1000,4000 2200,4000 2500,4000 4100,4000 3400,4100 3600,4100 1000,4200 2600,4200 2600,4300 4400,4300 700,4400 1000,4400 2500,4400 2400,4500 2500,4500 4400,4500 2400,4600 2500,4600 2600,4600 3100,4600
BOOT0: R8.1 R9.1 U2.138 | length 628.9
  Top Layer w8: R9.1@1295.59,1355 R8.1@1295.59,1420 1295.59,1475 ; 1315.3,1494.71 1295.59,1475 ; v1(1390,1570) 1390,1569.41 1295.59,1475 ; v1(1475,1655) 1515.15,1655 U2.138@1647.07,1786.92
  Bottom Layer w8: v1(1390,1570) v1(1475,1655)